# Altium PCB 2-quilter-output.pcbdoc (part 16 of 17)
Units mil, origin at the board's own origin, x right, y up, seen from the top; angles counter-clockwise.
Board outline 2728 x 2217 mil, 8 copper layers (L1_TOP, L2_GND, L3_INNER1, L4_GND, L5_PWR, L6_PWR, L7_GND, L8_BOT), stack 48.64 mil thick; 230 components, 327 nets, 1592 pads, 995 vias.
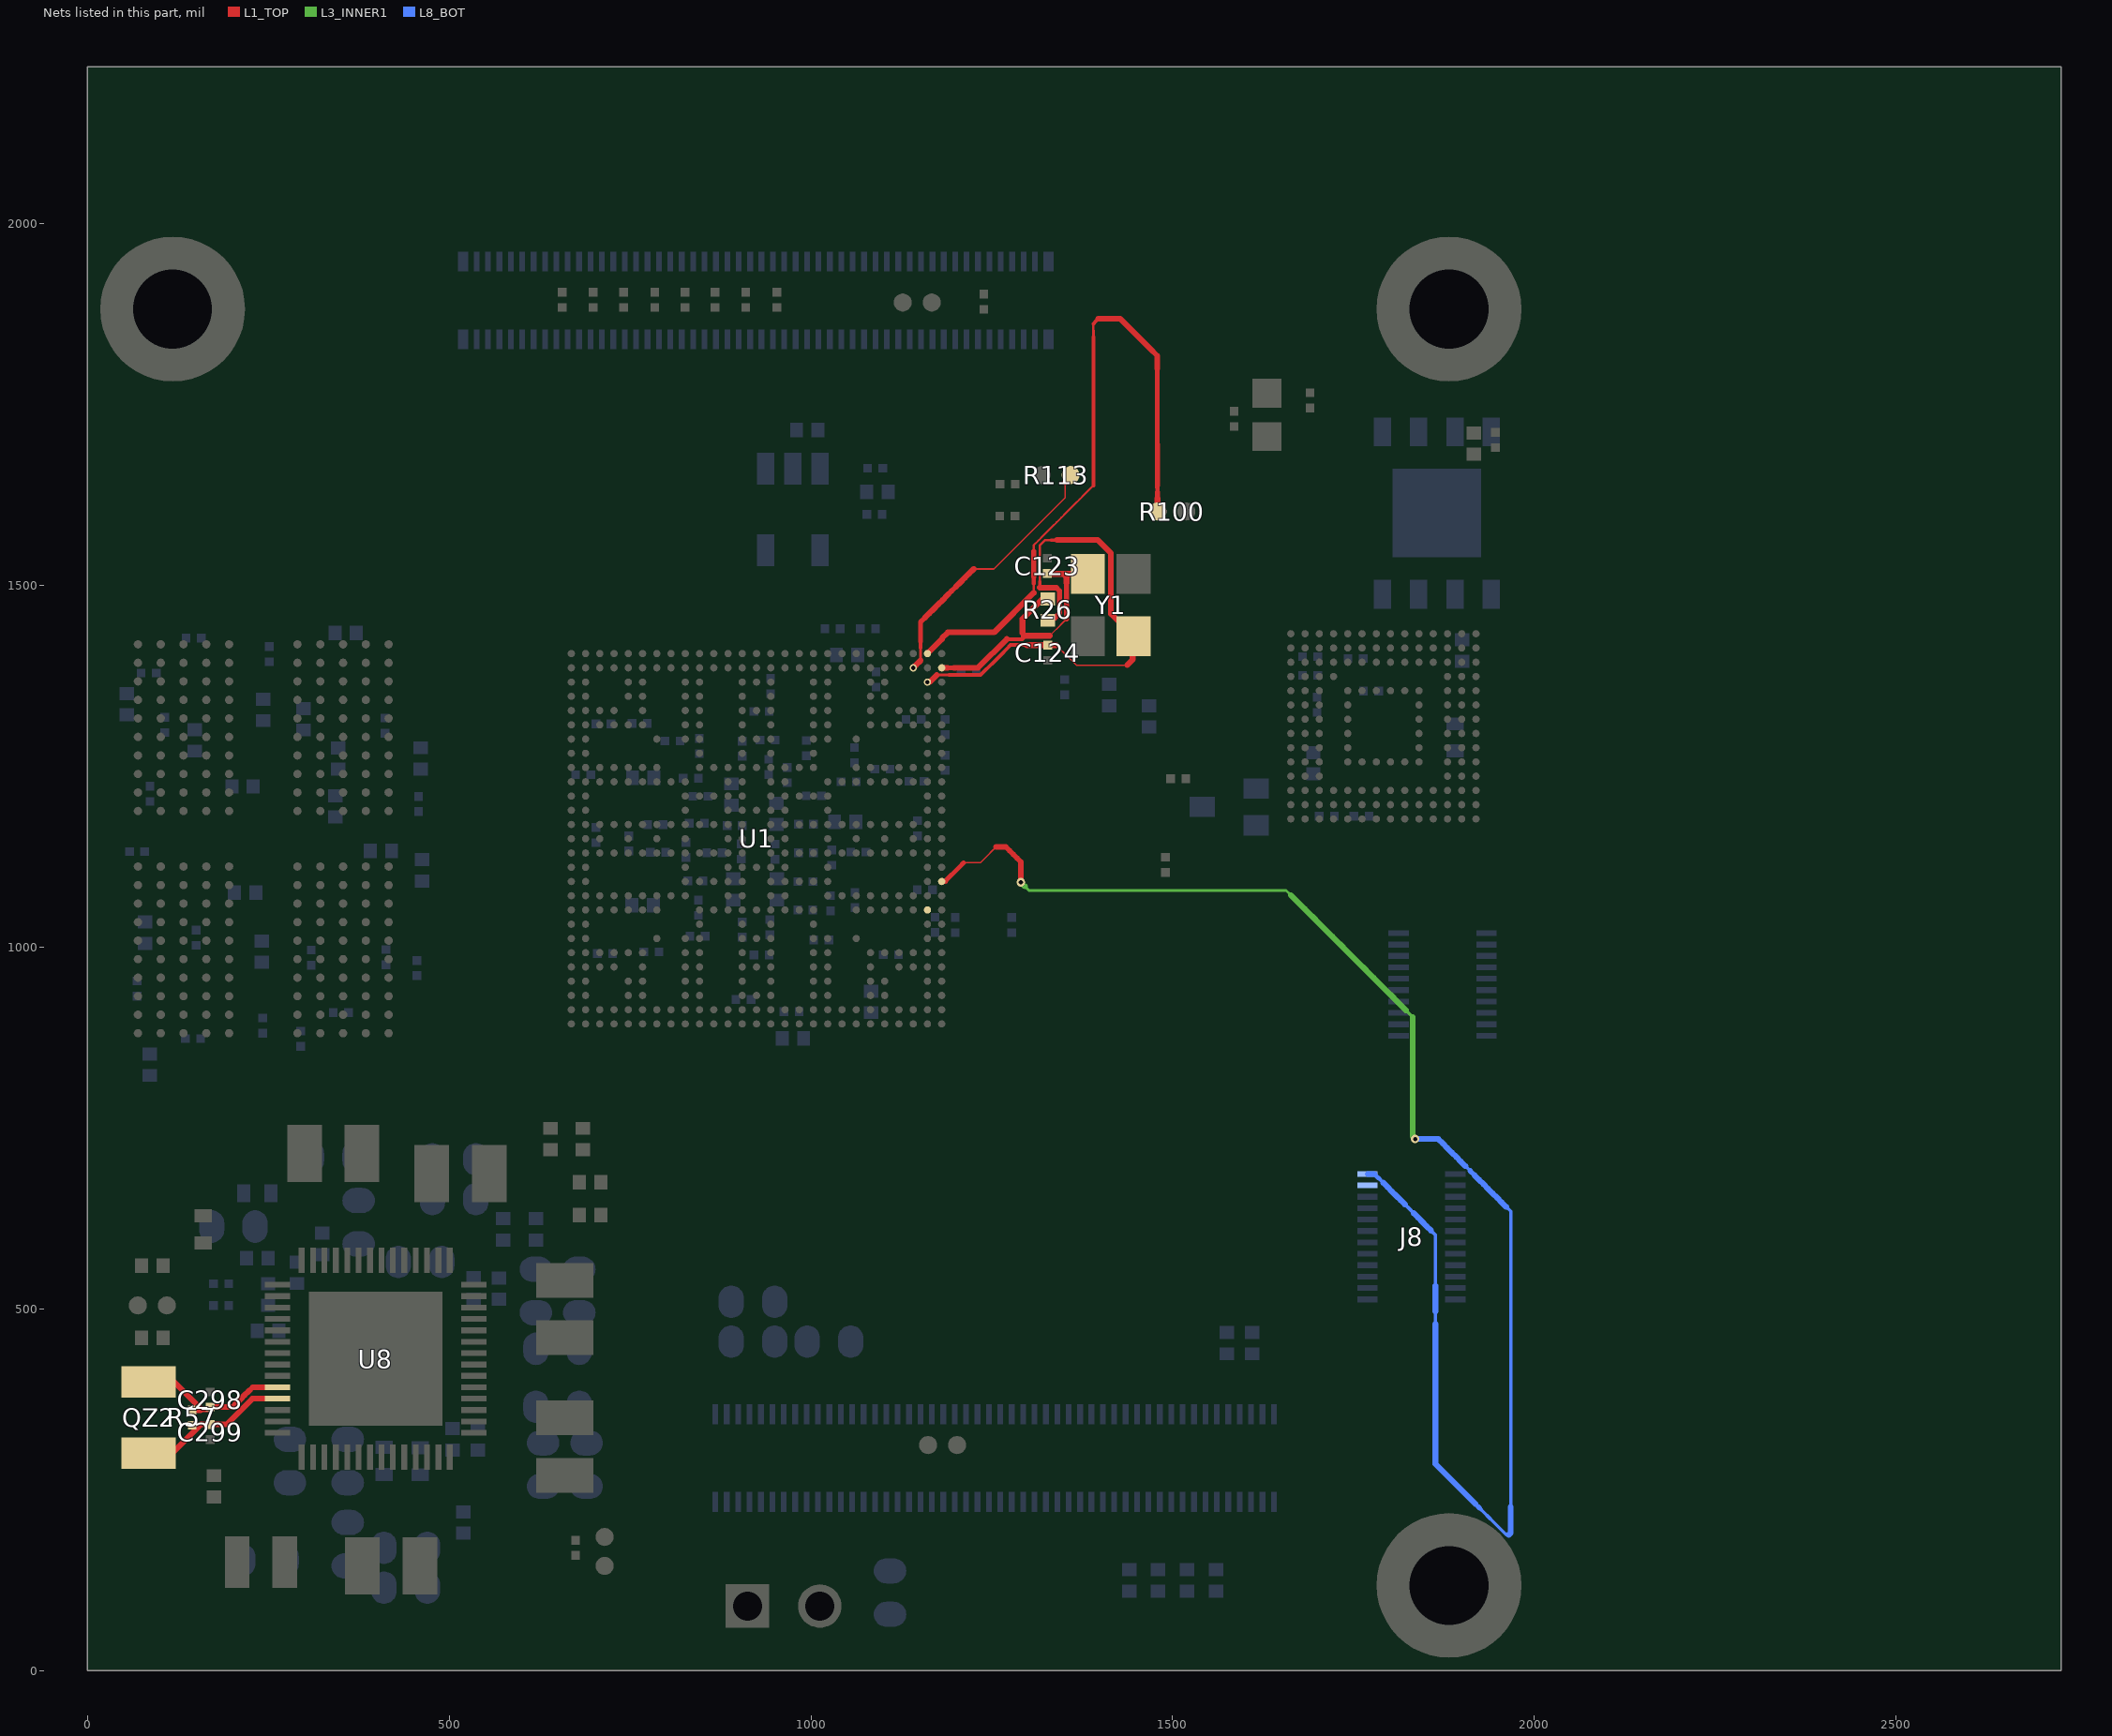
[diagram p22: the nets of this part, all layers, seen from the top]

## Via types
v1: diameter 12.01, hole 5.91, L1_TOP to L8_BOT, tented both sides, 409 vias
v2: diameter 16, hole 8, L1_TOP to L8_BOT, tented both sides, 329 vias
v3: diameter 10, hole 6, L1_TOP to L8_BOT, tented both sides, 205 vias
v4: diameter 16, hole 8, L1_TOP to L8_BOT, tented top, 52 vias

## Nets (pads, with @x,y where several pads share a name; then routed paths per layer and width w, separated by ;. In a path a pad name is that pad's centre, name@x,y a point inside that pad or via, vN(x,y) a via of type N, cw(c..) or ccw(c..) an arc to the next point about the centre after c; other vN are vias at no path point) (continued)
WL_WAKE_DEV: J8.2 U1.U27 | length 2162.9
  L1_TOP w2: 1234.08,1116.77 1239.54,1122.23 1245,1127.69 1250.46,1133.15 1255.92,1138.61
  L1_TOP w2.2: 1211.1,1116.77 1218.76,1116.77 1226.42,1116.77 1234.08,1116.77
  L1_TOP w6.29: 1185.86,1091.53 1192.17,1097.84 1198.48,1104.15 1204.79,1110.46 1211.1,1116.77
  L1_TOP w7.46: 1255.92,1138.61 1262.76,1138.61 1269.59,1138.61 1274.74,1133.47 1279.88,1128.33 1285.03,1123.18 1290.17,1118.04
  L1_TOP w8.05: U1.U27@1180.8,1090.84 1185.86,1091.53 ; v1(1290.17,1089.75) 1290.17,1098.61 1290.17,1118.04
  L3_INNER1 w3.96: 1295.85,1084.08 1301.52,1078.41 1310.4,1078.41 1319.28,1078.41 1328.16,1078.41 1337.05,1078.41 1345.93,1078.41 1354.81,1078.41 1363.69,1078.41 1372.57,1078.41 1381.45,1078.41 1390.34,1078.41 1399.22,1078.41 1408.1,1078.41 1416.98,1078.41 1425.86,1078.41 1434.75,1078.41 1443.63,1078.41 1452.51,1078.41 1461.39,1078.41 1470.27,1078.41 1479.15,1078.41 1488.04,1078.41 1496.92,1078.41 1505.8,1078.41 1514.68,1078.41 1523.56,1078.41 1532.45,1078.41 1541.33,1078.41 1550.21,1078.41 1559.09,1078.41 1567.97,1078.41 1576.85,1078.41 1585.74,1078.41 1594.62,1078.41 1603.5,1078.41 1612.38,1078.41 1621.26,1078.41 1630.14,1078.41 1639.03,1078.41 1647.91,1078.41 1656.79,1078.41 1663.15,1072.05 ; 1822.26,912.94 1828.63,906.57
  L3_INNER1 w4.54: 1828.63,906.57 1831.61,903.59
  L3_INNER1 w8.05: v1@1290.18,1089.75 1295.85,1084.08 ; 1663.15,1072.05 1669.52,1065.68 1675.88,1059.32 1682.25,1052.95 1688.61,1046.59 1694.98,1040.22 1701.34,1033.86 1707.7,1027.5 1714.07,1021.13 1720.43,1014.77 1726.8,1008.4 1733.16,1002.04 1739.53,995.67 1745.89,989.31 1752.25,982.95 1758.62,976.58 1764.98,970.22 1771.35,963.85 1777.71,957.49 1784.08,951.12 1790.44,944.76 1796.8,938.4 1803.17,932.03 1809.53,925.67 1815.9,919.3 1822.26,912.94 ; 1831.61,903.59 1831.61,738.46 v1(1834.99,735.08)
  L8_BOT w4.54: 1904.54,697.5 1910.8,691.24 ; 1924.28,224.72 1930.41,218.6 1936.53,212.48 1942.65,206.35 1948.78,200.23 1954.9,194.11 1961.02,187.98 ; 1960.9,641.14 1967.17,634.87 1967.17,625.99 1967.17,617.11 1967.17,608.23 1967.17,599.34 1967.17,590.46 1967.17,581.58 1967.17,572.7 1967.17,563.81 1967.17,554.93 1967.17,546.05 1967.17,537.17 1967.17,528.28 1967.17,519.4 1967.17,510.52 1967.17,501.64 1967.17,492.75 1967.17,483.87 1967.17,474.99 1967.17,466.11 1967.17,457.22 1967.17,448.34 1967.17,439.46 1967.17,430.58 1967.17,421.69 1967.17,412.81 1967.17,403.93 1967.17,395.05 1967.17,386.16 1967.17,377.28 1967.17,368.4 1967.17,359.51 1967.17,350.63 1967.17,341.75 1967.17,332.87 1967.17,323.98 1967.17,315.1 1967.17,306.22 1967.17,297.34 1967.17,288.45 1967.17,279.57 1967.17,270.69 1967.17,261.81 1967.17,252.92 1967.17,244.04 1967.17,235.16 1967.17,226.28 ; 1961.03,187.98 1964.4,187.98
  L8_BOT w5.13: 1784.9,680.58 1790.91,674.57 ; 1820.97,644.52 1826.98,638.5 1832.99,632.49 ; 1857.03,608.45 1863.05,602.44 1863.05,593.65 1863.05,584.86 1863.05,576.06 1863.05,567.27 1863.05,558.48 1863.05,549.69 1863.05,540.9 1863.05,532.11 ; 1863.05,479.36 1863.05,488.15 1863.05,496.95
  L8_BOT w6.29: J8.2@1778.89,686.59 1784.9,680.58
  L8_BOT w6.88: 1910.8,691.24 1917.06,684.97 ; 1918.16,230.85 1924.28,224.72
  L8_BOT w8.05: J8.2@1769.37,686.61 J8.2@1778.89,686.59 ; 1790.91,674.57 1796.92,668.56 1802.93,662.55 1808.94,656.54 1814.95,650.53 1820.97,644.52 ; 1832.99,632.49 1839,626.48 1845.01,620.47 1851.02,614.46 1857.03,608.45 ; v1(1834.99,735.08) 1844.83,735.08 1866.96,735.08 1873.22,728.81 1879.49,722.55 1885.75,716.29 1892.01,710.03 1898.28,703.76 1904.54,697.5 ; 1863.05,479.36 1863.05,470.57 1863.05,461.78 1863.05,452.99 1863.05,444.2 1863.05,435.41 1863.05,426.62 1863.05,417.83 1863.05,409.04 1863.05,400.24 1863.05,391.45 1863.05,382.66 1863.05,373.87 1863.05,365.08 1863.05,356.29 1863.05,347.5 1863.05,338.71 1863.05,329.92 1863.05,321.13 1863.05,312.33 1863.05,303.54 1863.05,294.75 1863.05,285.96 1869.17,279.84 1875.29,273.71 1881.42,267.59 1887.54,261.47 1893.66,255.34 1899.79,249.22 1905.91,243.1 1912.03,236.97 1918.16,230.85 ; 1863.05,496.95 1863.05,505.74 1863.05,514.53 1863.05,523.32 1863.05,532.11 ; 1917.06,684.97 1923.33,678.71 1929.59,672.45 1935.85,666.19 1942.11,659.92 1948.38,653.66 1954.64,647.4 1960.9,641.14 ; 1964.4,187.98 1967.17,190.74 1967.17,199.63 1967.17,208.51 1967.17,217.39 1967.17,226.28
WL_WAKE_HOST: J8.4 U1.W26
XIN_32K: C298.1 QZ2.2 R57.1 U8.10 | length 219.1
  L1_TOP w7.46: 222.95,386.39 228.43,391.87 237.04,391.87 245.64,391.87 254.25,391.87 U8.10@262.86,391.86
  L1_TOP w8.05: QZ2.2@84.98,399.21 119.84,399.21 157.58,361.47 ; R57.1@145,360.51 156.63,360.51 157.58,361.47 ; 222.95,386.39 217.48,380.92 212,375.44 206.53,369.97 201.05,364.49 188.52,364.49 175.98,364.49 C298.1@170,364.49 166.97,361.47 157.58,361.47
XOUT_32K: C299.1 QZ2.1 R57.2 U8.11 | length 222.6
  L1_TOP w8.05: QZ2.1@84.98,300.79 117.39,300.79 157.56,340.96 ; R57.2@145,339.49 156.08,339.49 157.56,340.97 ; U8.11@262.86,376.11 245.35,376.12 228.33,376.12 192.72,340.51 175.98,340.51 C299.1@170,340.51 158.02,340.51 157.57,340.97
XTALI_24M: C123.1 R26.1 U1.B27 Y1.3 | length 396.4
  L1_TOP w2: 1330.12,1430.47 1335.65,1436.01 1341.55,1441.91 1347.45,1447.81 1353.36,1453.71
  L1_TOP w5.13: 1270.78,1425.8 1276.84,1425.8 1282.9,1425.8 1287.67,1425.8 1292.44,1425.8 ; 1292.44,1434.22 1292.44,1425.8 ; 1297.11,1430.47 1292.44,1425.8
  L1_TOP w6.88: 1189.19,1386.12 1197.57,1386.12 ; 1353.36,1453.71 1353.36,1461.97 1353.36,1470.23 1353.36,1478.5 1353.36,1486.76 1353.36,1495.02 1353.36,1503.28
  L1_TOP w7.46: U1.B27@1180.8,1386.12 1189.19,1386.12
  L1_TOP w8.05: 1197.57,1386.12 1205.95,1386.12 1214.34,1386.12 1222.72,1386.12 1231.1,1386.12 1270.78,1425.8 ; 1292.44,1434.22 1292.44,1453.85 1321.62,1483.04 R26.1@1327.28,1481.34 ; 1297.11,1430.47 1330.12,1430.47 ; C123.1@1326.68,1516.73 1327.46,1515.94 1348.96,1515.94 ; 1353.36,1503.28 1353.36,1511.54 1348.96,1515.94 ; Y1.3@1382.85,1516.15 1382.26,1515.94 1348.96,1515.94
XTALI_32K: R100.2 U1.A26 | length 915.7
  L1_TOP w2.79: 1308.01,1493.9 1308.01,1502.73 ; 1308.01,1546.87 1308.01,1555.7 1314.34,1562.03 1320.67,1568.36 1327.01,1574.7 1333.34,1581.03 1339.67,1587.36 1346,1593.69 1352.34,1600.03 1358.67,1606.36 1365,1612.69 1371.33,1619.02 1377.67,1625.36 1384,1631.69 1390.33,1638.02
  L1_TOP w3.37: 1308.01,1489.85 1308.01,1493.9 ; 1390.33,1852.58 1390.33,1861.52
  L1_TOP w3.96: 1390.33,1843.64 1390.33,1852.58
  L1_TOP w5.13: 1390.33,1638.02 1390.33,1646.96 1390.33,1655.9 1390.33,1664.84 1390.33,1673.78 1390.33,1682.72 1390.33,1691.66 1390.33,1700.6 1390.33,1709.54 1390.33,1718.48 1390.33,1727.42 1390.33,1736.36 1390.33,1745.3 1390.33,1754.24 1390.33,1763.18 1390.33,1772.12 1390.33,1781.06 1390.33,1790 1390.33,1798.94 1390.33,1807.88 1390.33,1816.82 1390.33,1825.76 1390.33,1834.7 1390.33,1843.64 ; 1390.33,1861.52 1393.88,1865.06 1397.42,1868.61
  L1_TOP w6.29: 1308.01,1502.73 1308.01,1511.56 ; 1478.86,1638.06 1478.88,1629.09
  L1_TOP w6.88: 1478.61,1799.52 1478.62,1790.55 1478.64,1781.58 1478.65,1772.61 1478.66,1763.64 1478.68,1754.67 1478.69,1745.7 1478.71,1736.73 1478.72,1727.76 1478.73,1718.79 1478.75,1709.82 1478.76,1700.85 1478.78,1691.88 1478.79,1682.91 1478.81,1673.94 1478.82,1664.97 1478.83,1656 1478.85,1647.03 1478.86,1638.06
  L1_TOP w7.46: 1308.01,1511.56 1308.01,1520.39 1308.01,1529.21 1308.01,1538.04 1308.01,1546.87 ; 1472.9,1823.15 1478.58,1817.47 1478.59,1808.49 1478.61,1799.52 ; 1478.89,1620.12 1478.88,1629.09
  L1_TOP w8.05: U1.A26@1161.11,1405.81 1181.23,1425.94 1181.23,1426.89 1189.44,1435.1 1253.26,1435.1 1308.01,1489.85 ; 1397.42,1868.61 1427.44,1868.61 1433.12,1862.92 1438.8,1857.24 1444.49,1851.56 1450.17,1845.88 1455.85,1840.19 1461.53,1834.51 1467.22,1828.83 1472.9,1823.15 ; R100.2@1478.9,1602.17 1478.9,1611.15 1478.89,1620.12
XTALO_24M: C124.1 R26.2 U1.C26 Y1.1 | length 726.6
  L1_TOP w2: 1339.1,1417.54 1344.64,1412 1350.18,1406.46 1355.72,1400.92 1361.26,1395.38 1366.8,1389.84 1375.58,1389.84 1384.36,1389.84 1393.14,1389.84 1401.92,1389.84 1410.71,1389.84 1419.49,1389.84 1428.27,1389.84 1437.05,1389.84
  L1_TOP w3.37: 1316.45,1505.29 1316.45,1513.66 1316.45,1522.03 1316.45,1530.4 1316.45,1538.77 1316.45,1547.13 1316.45,1555.5 1320.08,1559.14 1323.72,1562.77 1331.8,1562.77
  L1_TOP w3.96: 1174.01,1376.05 1182.67,1376.05 1191.33,1376.05
  L1_TOP w4.54: 1316.45,1497.01 1316.45,1505.29 ; 1331.8,1562.77 1339.89,1562.77
  L1_TOP w5.13: 1191.33,1376.05 1199.98,1376.05 1208.64,1376.05 1217.3,1376.05 1225.95,1376.05 1234.61,1376.05 1240.54,1381.98 1246.46,1387.9 1252.39,1393.83 1258.32,1399.76 1264.25,1405.69 1270.17,1411.61 1276.1,1417.54 1283.63,1417.54 1291.17,1417.54 1298.7,1417.54
  L1_TOP w6.88: R26.2@1336.64,1454.64 1340.05,1458.04 1343.46,1461.45 1343.46,1465.97 1343.46,1474.86 1343.46,1483.75 1343.46,1492.63 1339.18,1496.91
  L1_TOP w8.05: v3(1161.11,1366.44) 1164.41,1366.45 1174.01,1376.05 ; 1298.7,1417.54 1306.23,1417.54 1313.77,1417.54 1321.3,1417.54 C124.1@1327.3,1417.53 1333.31,1417.54 1339.1,1417.54 ; 1316.45,1497.01 1316.55,1496.91 1339.18,1496.91 ; R26.2@1327.28,1451.82 R26.2@1336.64,1454.64 ; 1339.89,1562.77 1347.98,1562.77 1356.07,1562.77 1364.16,1562.77 1372.24,1562.77 1380.33,1562.77 1388.42,1562.77 1396.51,1562.77 1414.6,1544.69 1414.6,1460.8 1445.85,1429.55 1444.74,1428.45 1444.74,1397.53 1437.06,1389.84
XTALO_32K: R113.2 U1.B25 | length 372.4
  L1_TOP w2: 1224.98,1522.74 1231.99,1522.74 1239,1522.74 1246.01,1522.74 1253.02,1522.74 1259.17,1528.88 1265.31,1535.03 1271.46,1541.17 1277.6,1547.32 1283.75,1553.46 1289.89,1559.61 1296.04,1565.75 1302.18,1571.9 1308.33,1578.04 1314.48,1584.19 1320.62,1590.33 1326.77,1596.48 1332.91,1602.63 1339.06,1608.77 1345.2,1614.92 1351.35,1621.06 1351.35,1628.19 1351.35,1635.32 1351.35,1642.45
  L1_TOP w3.96: 1151.55,1396.24 1151.55,1405.08 1151.55,1413.92
  L1_TOP w5.71: 1151.55,1413.92 1151.55,1422.77
  L1_TOP w6.88: 1151.55,1422.77 1151.55,1431.61 1151.55,1440.46 1151.55,1449.3 1157.67,1455.42 ; 1194.38,1492.14 1200.5,1498.26
  L1_TOP w7.46: 1188.26,1486.02 1194.38,1492.14
  L1_TOP w8.05: v3(1141.43,1386.12) 1144.98,1389.67 1151.54,1396.23 ; 1157.67,1455.42 1163.79,1461.54 1169.9,1467.66 1176.02,1473.78 1182.14,1479.9 1188.26,1486.02 ; 1200.5,1498.26 1206.62,1504.38 1212.74,1510.5 1218.86,1516.62 1224.98,1522.74 ; 1351.35,1642.45 R113.2@1359.01,1652.57
pads on no net: J4. J8.24 U1.AB6 U1.F6 U1.J5 U1.K5 U1.M1 U1.M2 U1.N1 U1.N6 U1.R2 U1.R6 U1.T1 U1.T2 U1.V5 U1.W5 U2.A1 U2.A2 U2.A11 U2.A12 U2.AA1 U2.AA12 U2.AB1 U2.AB2 U2.AB11 U2.AB12 U2.B1 U2.B12 U2.G11 U2.K5 U2.K8 U2.N5 U2.N8 U4.A1 U4.A2 U4.A7 U4.A8 U4.A9 U4.A10 U4.A11 U4.A12 U4.A13 U4.A14 U4.B1 U4.B7 U4.B8 U4.B9 U4.B10 U4.B11 U4.B12 U4.B13 U4.B14 U4.C1 U4.C3 U4.C5 U4.C7 U4.C8 U4.C9 U4.C10 U4.C11 U4.C12 U4.C13 U4.C14 U4.D1 U4.D2 U4.D3 U4.D4 U4.D12 U4.D13 U4.D14 U4.E1 U4.E2 U4.E3 U4.E5 U4.E8 U4.E9 U4.E10 U4.E12 U4.E13 U4.E14 U4.F1 U4.F2 U4.F3 U4.F10 U4.F12 U4.F13 U4.F14 U4.G1 U4.G2 U4.G3 U4.G10 U4.G12 U4.G13 U4.G14 U4.H1 U4.H2 U4.H3 U4.H12 U4.H13 U4.H14 U4.J1 U4.J2 U4.J3 U4.J12 U4.J13 U4.J14 U4.K1 U4.K2 U4.K3 U4.K6 U4.K7 U4.K10 U4.K12 U4.K13 U4.K14 U4.L1 U4.L2 U4.L3 U4.L12 U4.L13 U4.L14 U4.M1 U4.M2 U4.M3 U4.M7 U4.M8 U4.M9 U4.M10 U4.M11 U4.M12 U4.M13 U4.M14 U4.N1 U4.N3 U4.N6 U4.N7 U4.N8 U4.N9 U4.N10 U4.N11 U4.N12 U4.N13 U4.N14 U4.P1 U4.P2 U4.P7 U4.P8 U4.P9 U4.P10 U4.P11 U4.P12 U4.P13 U4.P14
copper on no net:
  other v2: 276.4,1100.82 766.88,1113.22 228,1180 765.6,1188.9 253.13,1204.68
  other v4: 240,1103

## Polygon pours and split planes (outlines as drawn)
LX1 on L1_TOP "POUR_0" (solid, pour order 0): 42 vertices, not listed, extent 510.33,428.41 706.19,490.94
LX2 on L1_TOP "POUR_1" (solid, pour order 1): 41 vertices, not listed, extent 443.12,542.87 506.91,733.62
LX3 on L1_TOP "POUR_2" (solid, pour order 2): 40 vertices, not listed, extent 510.33,319.06 706.19,390.31
LX4 on L1_TOP "POUR_3" (solid, pour order 3): 42 vertices, not listed, extent 348.63,98.81 410.94,319.59
LX5 on L1_TOP "POUR_4" (solid, pour order 4): 42 vertices, not listed, extent 249.18,107.89 307.02,319.59
NVCC_DRAM_1V1 on L1_TOP "POUR_5" (solid, pour order 5): 34 vertices, not listed, extent 276.31,1119.82 506.65,1252.46
NVCC_DRAM_1V1 on L1_TOP "POUR_6" (solid, pour order 6): 65 vertices, not listed, extent 102.64,996.72 145.52,1036.65
NVCC_DRAM_1V1 on L1_TOP "POUR_7" (solid, pour order 7): 65 vertices, not listed, extent 102.64,1263.15 145.52,1303.08
NVCC_DRAM_1V1 on L1_TOP "POUR_8" (solid, pour order 8): 71 vertices, not listed, extent 120.66,1099.08 163.54,1190.19
NVCC_DRAM_1V1 on L1_TOP "POUR_9" (solid, pour order 9): 51 vertices, not listed, extent 26.02,1329.4 179.14,1497.75
NVCC_DRAM_1V1 on L1_TOP "POUR_10" (solid, pour order 10): 56 vertices, not listed, extent 120.66,814.1 177.02,919.22
NVCC_DRAM_1V1 on L1_TOP "POUR_11" (solid, pour order 11): 63 vertices, not listed, extent 183.66,994.45 228.54,1023.85
NVCC_DRAM_1V1 on L1_TOP "POUR_12" (solid, pour order 12): 63 vertices, not listed, extent 183.66,1275.95 228.54,1305.35
NVCC_DRAM_1V1 on L1_TOP "POUR_13" (solid, pour order 13): 62 vertices, not listed, extent 183.66,1327.33 303,1369.47
NVCC_DRAM_1V1 on L1_TOP "POUR_14" (solid, pour order 14): 63 vertices, not listed, extent 183.66,943.27 228.54,972.67
NVCC_DRAM_1V1 on L1_TOP "POUR_15" (solid, pour order 15): 63 vertices, not listed, extent 183.66,1378.31 230.47,1407.71
NVCC_DRAM_1V1 on L1_TOP "POUR_16" (solid, pour order 16): 63 vertices, not listed, extent 183.66,892.09 230.47,921.49
NVCC_DRAM_1V1 on L1_TOP "POUR_17" (solid, pour order 17): 64 vertices, not listed, extent 183.66,1040.2 233.59,1072.76
NVCC_DRAM_1V1 on L1_TOP "POUR_18" (solid, pour order 18): 66 vertices, not listed, extent 183.66,1227.04 247.35,1261.6
NVCC_DRAM_1V1 on L1_TOP "POUR_19" (solid, pour order 19): 55 vertices, not listed, extent 233.26,994.45 287.58,1073.56
NVCC_DRAM_1V1 on L1_TOP "POUR_20" (solid, pour order 20): 63 vertices, not listed, extent 256.19,1224.77 303,1254.17
NVCC_DRAM_1V1 on L1_TOP "POUR_21" (solid, pour order 21): 46 vertices, not listed, extent 245.66,1367.87 303,1407.71
NVCC_DRAM_1V1 on L1_TOP "POUR_22" (solid, pour order 22): 63 vertices, not listed, extent 256.19,892.09 303,921.49
NVCC_DRAM_1V1 on L1_TOP "POUR_23" (solid, pour order 23): 63 vertices, not listed, extent 256.19,943.27 303,972.67
NVCC_DRAM_1V1 on L1_TOP "POUR_24" (solid, pour order 24): 63 vertices, not listed, extent 256.69,1275.95 303,1305.35
NVCC_DRAM_1V1 on L1_TOP "POUR_25" (solid, pour order 25): 50 vertices, not listed, extent 309.64,1367.32 367.77,1431.03
NVCC_DRAM_1V1 on L1_TOP "POUR_26" (solid, pour order 26): 71 vertices, not listed, extent 309.64,868.77 366,919.22
NVCC_DRAM_1V1 on L1_TOP "POUR_27" (solid, pour order 27): 78 vertices, not listed, extent 341.14,1227.04 428.99,1303.08
NVCC_DRAM_1V1 on L1_TOP "POUR_28" (solid, pour order 28): 65 vertices, not listed, extent 341.14,981.66 384.01,1021.58
NVCC_DRAM_1V1 on L1_TOP "POUR_29" (solid, pour order 29): 64 vertices, not listed, extent 341.14,1098.24 451.74,1140.78
NVCC_DRAM_1V1 on L1_TOP "POUR_30" (solid, pour order 30): 65 vertices, not listed, extent 372.63,1007.84 415.51,1047.17
NVCC_DRAM_1V1 on L1_TOP "POUR_31" (solid, pour order 31): 63 vertices, not listed, extent 404.13,1327.13 450.94,1356.53
NVCC_DRAM_1V1 on L1_TOP "POUR_32" (solid, pour order 32): 63 vertices, not listed, extent 404.13,943.27 450.94,972.67
NVCC_DRAM_1V1 on L1_TOP "POUR_33" (solid, pour order 33): 63 vertices, not listed, extent 404.13,1047.34 451.05,1076.74
NVCC_DRAM_1V1 on L1_TOP "POUR_34" (solid, pour order 34): 53 vertices, not listed, extent 35.71,1045.63 82.53,1075.03
NVCC_DRAM_1V1 on L1_TOP "POUR_35" (solid, pour order 35): 63 vertices, not listed, extent 35.71,1096.81 82.53,1126.21
NVCC_DRAM_1V1 on L1_TOP "POUR_36" (solid, pour order 36): 63 vertices, not listed, extent 35.71,1173.59 82.53,1202.99
NVCC_DRAM_1V1 on L1_TOP "POUR_37" (solid, pour order 37): 63 vertices, not listed, extent 35.71,1224.77 82.53,1254.17
NVCC_DRAM_1V1 on L1_TOP "POUR_38" (solid, pour order 38): 63 vertices, not listed, extent 35.71,943.27 82.53,972.67
NVCC_DRAM_1V1 on L1_TOP "POUR_39" (solid, pour order 39): 73 vertices, not listed, extent 789.48,1039.2 841.57,1122.21
NVCC_DRAM_1V1 on L1_TOP "POUR_40" (solid, pour order 40): 76 vertices, not listed, extent 754.19,1097.68 839.02,1260.6
NVCC_DRAM_1V1 on L1_TOP "POUR_41" (solid, pour order 41): 35 vertices, not listed, extent 259.8,542.87 370.01,782.32
NVCC_DRAM_1V1 on L1_TOP "POUR_42" (solid, pour order 42): 31 vertices, not listed, extent 449.31,1134.55 570.83,1150.12

## Text inside footprints (layer, text, board x,y; h text height)
U1: Top Overlay "A" at 621.74,1401.87 h20; Top Overlay "AG" at 594.18,882.18 h20; Top Overlay "1" at 646.97,1432.53 h20; Top Overlay "27" at 1176.86,1437.3 h20; Top Assembly "A" at 625.68,1401.87 h9.84; Top Assembly "1" at 663.55,1435.06 h9.84; Top Assembly "2" at 683.24,1435.06 h9.84; Top Assembly "3" at 702.92,1435.06 h9.84; Top Assembly "4" at 722.61,1435.06 h9.84; Top Assembly "5" at 742.29,1435.06 h9.84; Top Assembly "6" at 761.98,1435.06 h9.84; Top Assembly "7" at 781.66,1435.06 h9.84; Top Assembly "8" at 801.35,1435.06 h9.84; Top Assembly "9" at 821.03,1435.06 h9.84; Top Assembly "10" at 844.65,1431.13 h9.84; Top Assembly "11" at 864.34,1431.13 h9.84; Top Assembly "12" at 884.02,1431.13 h9.84; Top Assembly "13" at 899.77,1431.13 h9.84; Top Assembly "14" at 923.39,1431.13 h9.84; Top Assembly "15" at 943.08,1431.13 h9.84; Top Assembly "16" at 962.76,1431.13 h9.84; Top Assembly "17" at 982.45,1431.13 h9.84; Top Assembly "18" at 1002.13,1431.13 h9.84; Top Assembly "19" at 1021.82,1431.13 h9.84; Top Assembly "20" at 1041.5,1431.13 h9.84; Top Assembly "21" at 1061.19,1431.13 h9.84; Top Assembly "22" at 1080.87,1431.13 h9.84; Top Assembly "23" at 1100.56,1431.13 h9.84; Top Assembly "24" at 1120.24,1431.13 h9.84; Top Assembly "25" at 1139.93,1431.13 h9.84; Top Assembly "26" at 1159.61,1431.13 h9.84; Top Assembly "27" at 1179.3,1431.13 h9.84; Top Assembly "B" at 625.68,1382.18 h9.84; Top Assembly "C" at 625.68,1362.5 h9.84; Top Assembly "D" at 625.68,1342.81 h9.84; Top Assembly "E" at 625.68,1323.13 h9.84; Top Assembly "F" at 625.68,1303.44 h9.84; Top Assembly "G" at 625.68,1283.76 h9.84; Top Assembly "H" at 625.68,1264.07 h9.84; Top Assembly "J" at 625.68,1244.39 h9.84; Top Assembly "K" at 625.68,1224.7 h9.84; Top Assembly "L" at 625.68,1205.02 h9.84; Top Assembly "M" at 625.68,1185.33 h9.84; Top Assembly "N" at 625.68,1165.65 h9.84; Top Assembly "P" at 625.68,1145.96 h9.84; Top Assembly "R" at 625.68,1126.28 h9.84; Top Assembly "T" at 625.68,1106.59 h9.84; Top Assembly "U" at 625.68,1086.91 h9.84; Top Assembly "V" at 625.68,1067.22 h9.84; Top Assembly "W" at 625.68,1047.54 h9.84; Top Assembly "Y" at 625.68,1027.85 h9.84; Top Assembly "AA" at 625.68,1008.17 h9.84; Top Assembly "AB" at 625.68,988.48 h9.84; Top Assembly "AC" at 625.68,968.8 h9.84; Top Assembly "AD" at 625.68,949.11 h9.84; Top Assembly "AE" at 625.68,929.43 h9.84; Top Assembly "AF" at 625.68,909.74 h9.84; Top Assembly "AG" at 625.68,890.06 h9.84; Top Pin Number "F27" at 1168.99,1307.38 h9.84; Top Pin Number "E26" at 1149.3,1327.06 h9.84; Top Pin Number "E27" at 1168.99,1327.06 h9.84; Top Pin Number "A1" at 646.94,1397.93 h23.62; Top Pin Number "A27" at 1168.99,1405.81 h9.84; Top Pin Number "B3" at 700.48,1386.12 h9.84; Top Pin Number "B26" at 1149.3,1386.12 h9.84; Top Pin Number "C2" at 680.8,1366.44 h9.84; Top Pin Number "C5" at 739.86,1366.44 h9.84; Top Pin Number "C6" at 759.54,1366.44 h9.84; Top Pin Number "C9" at 818.6,1366.44 h9.84; Top Pin Number "C10" at 834.34,1366.44 h9.84; Top Pin Number "C13" at 893.4,1366.44 h9.84; Top Pin Number "C14" at 913.08,1366.44 h9.84; Top Pin Number "C15" at 932.76,1366.44 h9.84; Top Pin Number "C18" at 991.82,1366.44 h9.84; Top Pin Number "C19" at 1011.5,1366.44 h9.84; Top Pin Number "C22" at 1070.56,1366.44 h9.84; Top Pin Number "C23" at 1090.24,1366.44 h9.84; Top Pin Number "E3" at 700.48,1327.06 h9.84; Top Pin Number "E25" at 1129.62,1327.06 h9.84; Top Pin Number "F3" at 700.48,1307.38 h9.84; Top Pin Number "F25" at 1129.62,1307.38 h9.84; Top Pin Number "G7" at 779.22,1287.7 h9.84; Top Pin Number "G9" at 818.6,1287.7 h9.84; Top Pin Number "G21" at 1050.88,1287.7 h9.84; Top Pin Number "H2" at 680.8,1268.01 h9.84; Top Pin Number "J3" at 700.48,1248.32 h9.84; Top Pin Number "J25" at 1129.62,1248.32 h9.84; Top Pin Number "K3" at 700.48,1228.64 h9.84; Top Pin Number "K25" at 1129.62,1228.64 h9.84; Top Pin Number "L12" at 873.71,1208.96 h9.84; Top Pin Number "L16" at 952.45,1208.96 h9.84; Top Pin Number "N3" at 700.48,1169.58 h9.84; Top Pin Number "N12" at 873.71,1169.58 h9.84; Top Pin Number "N16" at 952.45,1169.58 h9.84; Top Pin Number "N25" at 1129.62,1169.58 h9.84; Top Pin Number "P3" at 700.48,1149.9 h9.84; Top Pin Number "P13" at 893.4,1149.9 h9.84; Top Pin Number "P15" at 932.76,1149.9 h9.84; Top Pin Number "P25" at 1129.62,1149.9 h9.84; Top Pin Number "R3" at 700.48,1130.22 h9.84; Top Pin Number "R12" at 873.71,1130.22 h9.84; Top Pin Number "R16" at 952.45,1130.22 h9.84; Top Pin Number "R25" at 1129.62,1130.22 h9.84; Top Pin Number "U12" at 873.71,1090.84 h9.84; Top Pin Number "U16" at 952.45,1090.84 h9.84; Top Pin Number "V3" at 700.48,1071.16 h9.84; Top Pin Number "V25" at 1129.62,1071.16 h9.84; Top Pin Number "W3" at 700.48,1051.48 h9.84; Top Pin Number "W25" at 1129.62,1051.48 h9.84; Top Pin Number "Y2" at 680.8,1031.79 h9.84; Top Pin Number "AA7" at 775.28,1012.1 h9.84; Top Pin Number "AA21" at 1046.95,1012.1 h9.84; Top Pin Number "AB3" at 696.54,992.42 h9.84; Top Pin Number "AB25" at 1125.69,992.42 h9.84; Top Pin Number "AC3" at 696.54,972.74 h9.84; Top Pin Number "AC25" at 1125.69,972.74 h9.84; Top Pin Number "AE2" at 676.86,933.36 h9.84; Top Pin Number "AE5" at 735.92,933.36 h9.84; Top Pin Number "AE6" at 755.6,933.36 h9.84; Top Pin Number "AE9" at 814.66,933.36 h9.84; Top Pin Number "AE10" at 830.41,933.36 h9.84; Top Pin Number "AE13" at 889.47,933.36 h9.84; Top Pin Number "J4" at 720.17,1248.32 h9.84; Top Pin Number "AF4" at 716.23,913.68 h9.84; Top Pin Number "E1" at 661.11,1327.06 h9.84; Top Pin Number "AG26" at 1145.37,893.99 h9.84; Top Pin Number "B5" at 739.86,1386.12 h9.84; Top Pin Number "D2" at 680.8,1346.75 h9.84; Top Pin Number "AD2" at 676.86,953.05 h9.84; Top Pin Number "F5" at 739.86,1307.38 h9.84; Top Pin Number "W22" at 1070.56,1051.48 h9.84; Top Pin Number "L1" at 661.11,1208.96 h9.84; Top Pin Number "AF1" at 657.17,913.68 h9.84; Top Pin Number "B2" at 680.8,1386.12 h9.84; Top Pin Number "V1" at 661.11,1071.16 h9.84; Top Pin Number "B4" at 720.17,1386.12 h9.84; Top Pin Number "D9" at 818.6,1346.75 h9.84; Top Pin Number "AD1" at 657.17,953.05 h9.84; Top Pin Number "Y1" at 661.11,1031.79 h9.84; Top Pin Number "J1" at 661.11,1248.32 h9.84; Top Pin Number "E4" at 720.17,1327.06 h9.84; Top Pin Number "F4" at 720.17,1307.38 h9.84; Top Pin Number "K1" at 661.11,1228.64 h9.84; Top Pin Number "AA2" at 676.86,1012.1 h9.84; Top Pin Number "T26" at 1149.3,1110.53 h9.84; Top Pin Number "J6" at 759.54,1248.32 h9.84; Top Pin Number "T27" at 1168.99,1110.53 h9.84; Top Pin Number "W2" at 680.8,1051.48 h9.84; Top Pin Number "AG5" at 735.92,893.99 h9.84; Top Pin Number "D1" at 661.11,1346.75 h9.84; Top Pin Number "R27" at 1168.99,1130.22 h9.84; Top Pin Number "A2" at 680.8,1405.81 h9.84; Top Pin Number "R26" at 1149.3,1130.22 h9.84; Top Pin Number "AC2" at 676.86,972.74 h9.84; Top Pin Number "W1" at 661.11,1051.48 h9.84; Top Pin Number "AF5" at 735.92,913.68 h9.84; Top Pin Number "E6" at 759.54,1327.06 h9.84; Top Pin Number "R5" at 739.86,1130.22 h9.84; Top Pin Number "A8" at 798.91,1405.81 h9.84; Top Pin Number "AB2" at 676.86,992.42 h9.84; Top Pin Number "B8" at 798.91,1386.12 h9.84; Top Pin Number "R1" at 661.11,1130.22 h9.84; Top Pin Number "A5" at 739.86,1405.81 h9.84; Top Pin Number "V6" at 759.54,1071.16 h9.84; Top Pin Number "A4" at 720.17,1405.81 h9.84; Top Pin Number "W26" at 1149.3,1051.48 h9.84; Top Pin Number "B1" at 661.11,1386.12 h9.84; Top Pin Number "J2" at 680.8,1248.32 h9.84; Top Pin Number "R23" at 1090.24,1130.22 h9.84; Top Pin Number "C1" at 661.11,1366.44 h9.84; Top Pin Number "V4" at 720.17,1071.16 h9.84; Top Pin Number "W6" at 759.54,1051.48 h9.84; Top Pin Number "N5" at 739.86,1169.58 h9.84; Top Pin Number "AD19" at 1007.57,953.05 h9.84; Top Pin Number "E10" at 834.34,1327.06 h9.84; Top Pin Number "AG8" at 794.97,893.99 h9.84; Top Pin Number "A25" at 1129.62,1405.81 h9.84; Top Pin Number "AG7" at 775.28,893.99 h9.84; Top Pin Number "AC9" at 814.66,972.74 h9.84; Top Pin Number "AC24" at 1106,972.74 h9.84; Top Pin Number "AF8" at 794.97,913.68 h9.84; Top Pin Number "AB22" at 1066.63,992.42 h9.84; Top Pin Number "AF7" at 775.28,913.68 h9.84; Top Pin Number "AD9" at 814.66,953.05 h9.84; Top Pin Number "F10" at 834.34,1307.38 h9.84; Top Pin Number "AF10" at 830.41,913.68 h9.84; Top Pin Number "F2" at 680.8,1307.38 h9.84; Top Pin Number "AF19" at 1007.57,913.68 h9.84; Top Pin Number "AC6" at 755.6,972.74 h9.84; Top Pin Number "AG10" at 830.41,893.99 h9.84; Top Pin Number "AA1" at 657.17,1012.1 h9.84; Top Pin Number "AD18" at 987.89,953.05 h9.84; Top Pin Number "AF6" at 755.6,913.68 h9.84; Top Pin Number "AD10" at 830.41,953.05 h9.84; Top Pin Number "AF22" at 1066.63,913.68 h9.84; Top Pin Number "AF11" at 850.09,913.68 h9.84; Top Pin Number "AB4" at 716.23,992.42 h9.84; Top Pin Number "AG20" at 1027.26,893.99 h9.84; Top Pin Number "AG11" at 850.09,893.99 h9.84; Top Pin Number "K6" at 759.54,1228.64 h9.84; Top Pin Number "AB10" at 830.41,992.42 h9.84; Top Pin Number "AF9" at 814.66,913.68 h9.84; Top Pin Number "AF2" at 676.86,913.68 h9.84; Top Pin Number "AB9" at 814.66,992.42 h9.84; Top Pin Number "A3" at 700.48,1405.81 h9.84; Top Pin Number "AG9" at 814.66,893.99 h9.84; Top Pin Number "AE1" at 657.17,933.36 h9.84; Top Pin Number "AC10" at 830.41,972.74 h9.84; Top Pin Number "AG3" at 696.54,893.99 h9.84; Top Pin Number "W4" at 720.17,1051.48 h9.84; Top Pin Number "AF25" at 1125.69,913.68 h9.84; Top Pin Number "AG25" at 1125.69,893.99 h9.84; Top Pin Number "AF26" at 1145.37,913.68 h9.84; Top Pin Number "AG24" at 1106,893.99 h9.84; Top Pin Number "AB27" at 1165.06,992.42 h9.84; Top Pin Number "G26" at 1149.3,1287.7 h9.84; Top Pin Number "D23" at 1090.24,1346.75 h9.84; Top Pin Number "P1" at 661.11,1149.9 h9.84; Top Pin Number "F18" at 991.82,1307.38 h9.84; Top Pin Number "D22" at 1070.56,1346.75 h9.84; Top Pin Number "P2" at 680.8,1149.9 h9.84; Top Pin Number "N19" at 1011.5,1169.58 h9.84; Top Pin Number "P5" at 739.86,1149.9 h9.84; Top Pin Number "P19" at 1011.5,1149.9 h9.84; Top Pin Number "R19" at 1011.5,1130.22 h9.84; Top Pin Number "G14" at 913.08,1287.7 h9.84; Top Pin Number "H13" at 893.4,1268.01 h9.84; Top Pin Number "H15" at 932.76,1268.01 h9.84; Top Pin Number "N20" at 1031.19,1169.58 h9.84; Top Pin Number "Y15" at 932.76,1031.79 h9.84; Top Pin Number "AA14" at 909.15,1012.1 h9.84; Top Pin Number "D19" at 1011.5,1346.75 h9.84; Top Pin Number "AB19" at 1007.57,992.42 h9.84; Top Pin Number "AG22" at 1066.63,893.99 h9.84; Top Pin Number "AG18" at 987.89,893.99 h9.84; Top Pin Number "AG16" at 948.52,893.99 h9.84; Top Pin Number "AF20" at 1027.26,913.68 h9.84; Top Pin Number "AF16" at 948.52,913.68 h9.84; Top Pin Number "AC22" at 1066.63,972.74 h9.84; Top Pin Number "G27" at 1168.99,1287.7 h9.84; Top Pin Number "AF18" at 987.89,913.68 h9.84; Top Pin Number "R13" at 893.4,1130.22 h9.84; Top Pin Number "R15" at 932.76,1130.22 h9.84; Top Pin Number "T13" at 893.4,1110.53 h9.84; Top Pin Number "T15" at 932.76,1110.53 h9.84; Top Pin Number "U13" at 893.4,1090.84 h9.84; Top Pin Number "U15" at 932.76,1090.84 h9.84; Top Pin Number "V13" at 893.4,1071.16 h9.84; Top Pin Number "V15" at 932.76,1071.16 h9.84; Top Pin Number "V16" at 952.45,1071.16 h9.84; Top Pin Number "W13" at 893.4,1051.48 h9.84; Top Pin Number "W14" at 913.08,1051.48 h9.84; Top Pin Number "W15" at 932.76,1051.48 h9.84; Top Pin Number "W16" at 952.45,1051.48 h9.84; Top Pin Number "T14" at 913.08,1110.53 h9.84; Top Pin Number "AF17" at 968.21,913.68 h9.84; Top Pin Number "AF23" at 1086.31,913.68 h9.84; Top Pin Number "AF15" at 928.83,913.68 h9.84; Top Pin Number "A7" at 779.22,1405.81 h9.84; Top Pin Number "J26" at 1149.3,1248.32 h9.84; Top Pin Number "B6" at 759.54,1386.12 h9.84; Top Pin Number "AG21" at 1046.95,893.99 h9.84; Top Pin Number "AC19" at 1007.57,972.74 h9.84; Top Pin Number "H26" at 1149.3,1268.01 h9.84; Top Pin Number "AG15" at 928.83,893.99 h9.84; Top Pin Number "C27" at 1168.99,1366.44 h9.84; Top Pin Number "AG19" at 1007.57,893.99 h9.84; Top Pin Number "AG17" at 968.21,893.99 h9.84; Top Pin Number "AF12" at 869.78,913.68 h9.84; Top Pin Number "AC18" at 987.89,972.74 h9.84; Top Pin Number "AE27" at 1165.06,933.36 h9.84; Top Pin Number "AF14" at 909.15,913.68 h9.84; Top Pin Number "AF21" at 1046.95,913.68 h9.84; Top Pin Number "AD6" at 755.6,953.05 h9.84; Top Pin Number "N8" at 798.91,1169.58 h9.84; Top Pin Number "P7" at 779.22,1149.9 h9.84; Top Pin Number "R8" at 798.91,1130.22 h9.84; Top Pin Number "V8" at 798.91,1071.16 h9.84; Top Pin Number "K19" at 1011.5,1228.64 h9.84; Top Pin Number "W17" at 972.14,1051.48 h9.84; Top Pin Number "W18" at 991.82,1051.48 h9.84; Top Pin Number "H10" at 834.34,1268.01 h9.84; Top Pin Number "Y10" at 834.34,1031.79 h9.84; Top Pin Number "D6" at 759.54,1346.75 h9.84; Top Pin Number "E14" at 913.08,1327.06 h9.84; Top Pin Number "B7" at 779.22,1386.12 h9.84; Top Pin Number "E9" at 818.6,1327.06 h9.84; Top Pin Number "V26" at 1149.3,1071.16 h9.84; Top Pin Number "V27" at 1168.99,1071.16 h9.84; Top Pin Number "AA26" at 1145.37,1012.1 h9.84; Top Pin Number "V23" at 1090.24,1071.16 h9.84; Top Pin Number "Y27" at 1168.99,1031.79 h9.84; Top Pin Number "V24" at 1109.93,1071.16 h9.84; Top Pin Number "W24" at 1109.93,1051.48 h9.84; Top Pin Number "AC27" at 1165.06,972.74 h9.84; Top Pin Number "Y26" at 1149.3,1031.79 h9.84; Top Pin Number "W23" at 1090.24,1051.48 h9.84; Top Pin Number "AB26" at 1145.37,992.42 h9.84; Top Pin Number "E24" at 1109.93,1327.06 h9.84; Top Pin Number "B24" at 1109.93,1386.12 h9.84; Top Pin Number "E22" at 1070.56,1327.06 h9.84; Top Pin Number "AF27" at 1165.06,913.68 h9.84; Top Pin Number "B23" at 1090.24,1386.12 h9.84; Top Pin Number "A23" at 1090.24,1405.81 h9.84; Top Pin Number "E19" at 1011.5,1327.06 h9.84; Top Pin Number "A20" at 1031.19,1405.81 h9.84; Top Pin Number "B20" at 1031.19,1386.12 h9.84; Top Pin Number "A22" at 1070.56,1405.81 h9.84; Top Pin Number "B21" at 1050.88,1386.12 h9.84; Top Pin Number "B22" at 1070.56,1386.12 h9.84; Top Pin Number "A21" at 1050.88,1405.81 h9.84; Top Pin Number "A19" at 1011.5,1405.81 h9.84; Top Pin Number "A12" at 873.71,1405.81 h9.84; Top Pin Number "A10" at 834.34,1405.81 h9.84; Top Pin Number "A13" at 893.4,1405.81 h9.84; Top Pin Number "A11" at 854.02,1405.81 h9.84; Top Pin Number "B9" at 818.6,1386.12 h9.84; Top Pin Number "B13" at 893.4,1386.12 h9.84; Top Pin Number "V22" at 1070.56,1071.16 h9.84; Top Pin Number "B12" at 873.71,1386.12 h9.84; Top Pin Number "A9" at 818.6,1405.81 h9.84; Top Pin Number "B11" at 854.02,1386.12 h9.84; Top Pin Number "B10" at 834.34,1386.12 h9.84; Top Pin Number "AG14" at 909.15,893.99 h9.84; Top Pin Number "AB1" at 657.17,992.42 h9.84; Top Pin Number "F1" at 661.11,1307.38 h9.84; Top Pin Number "D27" at 1168.99,1346.75 h9.84; Top Pin Number "C26" at 1149.3,1366.44 h9.84; Top Pin Number "B27" at 1168.99,1386.12 h9.84; Top Pin Number "B25" at 1129.62,1386.12 h9.84; Top Pin Number "A26" at 1149.3,1405.81 h9.84; Top Pin Number "K26" at 1149.3,1228.64 h9.84; Top Pin Number "L26" at 1149.3,1208.96 h9.84; Top Pin Number "AF24" at 1106,913.68 h9.84; Top Pin Number "AC26" at 1145.37,972.74 h9.84; Top Pin Number "AD26" at 1145.37,953.05 h9.84; Top Pin Number "AD27" at 1165.06,953.05 h9.84; Top Pin Number "AE26" at 1145.37,933.36 h9.84; Top Pin Number "J12" at 873.71,1248.32 h9.84; Top Pin Number "J13" at 893.4,1248.32 h9.84; Top Pin Number "L19" at 1011.5,1208.96 h9.84; Top Pin Number "M19" at 1011.5,1189.27 h9.84; Top Pin Number "T19" at 1011.5,1110.53 h9.84; Top Pin Number "U19" at 1011.5,1090.84 h9.84; Top Pin Number "V19" at 1011.5,1071.16 h9.84; Top Pin Number "W12" at 873.71,1051.48 h9.84; Top Pin Number "AB13" at 889.47,992.42 h9.84; Top Pin Number "V20" at 1031.19,1071.16 h9.84; Top Pin Number "L2" at 680.8,1208.96 h9.84; Top Pin Number "AD5" at 735.92,953.05 h9.84; Top Pin Number "U26" at 1149.3,1090.84 h9.84; Top Pin Number "R4" at 720.17,1130.22 h9.84; Top Pin Number "AG2" at 676.86,893.99 h9.84; Top Pin Number "N26" at 1149.3,1169.58 h9.84; Top Pin Number "U2" at 680.8,1090.84 h9.84; Top Pin Number "V2" at 680.8,1071.16 h9.84; Top Pin Number "A6" at 759.54,1405.81 h9.84; Top Pin Number "M26" at 1149.3,1189.27 h9.84; Top Pin Number "K4" at 720.17,1228.64 h9.84; Top Pin Number "AG4" at 716.23,893.99 h9.84; Top Pin Number "G2" at 680.8,1287.7 h9.84; Top Pin Number "AB5" at 735.92,992.42 h9.84; Top Pin Number "AC1" at 657.17,972.74 h9.84; Top Pin Number "G1" at 661.11,1287.7 h9.84; Top Pin Number "AG6" at 755.6,893.99 h9.84; Top Pin Number "AC4" at 716.23,972.74 h9.84; Top Pin Number "AD15" at 928.83,953.05 h9.84; Top Pin Number "D5" at 739.86,1346.75 h9.84; Top Pin Number "AB15" at 928.83,992.42 h9.84; Top Pin Number "H1" at 661.11,1268.01 h9.84; Top Pin Number "AD13" at 889.47,953.05 h9.84; Top Pin Number "N4" at 720.17,1169.58 h9.84; Top Pin Number "AC13" at 889.47,972.74 h9.84; Top Pin Number "W27" at 1168.99,1051.48 h9.84; Top Pin Number "E2" at 680.8,1327.06 h9.84; Top Pin Number "K2" at 680.8,1228.64 h9.84; Top Pin Number "AC14" at 909.15,972.74 h9.84; Top Pin Number "AC15" at 928.83,972.74 h9.84; Top Pin Number "K23" at 1090.24,1228.64 h9.84; Top Pin Number "K24" at 1109.93,1228.64 h9.84; Top Pin Number "AD23" at 1086.31,953.05 h9.84; Top Pin Number "P23" at 1090.24,1149.9 h9.84; Top Pin Number "AD22" at 1066.63,953.05 h9.84; Top Pin Number "N23" at 1090.24,1169.58 h9.84; Top Pin Number "B19" at 1011.5,1386.12 h9.84; Top Pin Number "D13" at 893.4,1346.75 h9.84; Top Pin Number "E13" at 893.4,1327.06 h9.84; Top Pin Number "N24" at 1109.93,1169.58 h9.84; Top Pin Number "D10" at 834.34,1346.75 h9.84; Top Pin Number "N22" at 1070.56,1169.58 h9.84; Top Pin Number "F9" at 818.6,1307.38 h9.84; Top Pin Number "E15" at 932.76,1327.06 h9.84; Top Pin Number "F13" at 893.4,1307.38 h9.84; Top Pin Number "K9" at 818.6,1228.64 h9.84; Top Pin Number "L9" at 818.6,1208.96 h9.84; Top Pin Number "M9" at 818.6,1189.27 h9.84; Top Pin Number "N9" at 818.6,1169.58 h9.84; Top Pin Number "R9" at 818.6,1130.22 h9.84; Top Pin Number "T9" at 818.6,1110.53 h9.84; Top Pin Number "U9" at 818.6,1090.84 h9.84; Top Pin Number "V9" at 818.6,1071.16 h9.84; Top Pin Number "K8" at 798.91,1228.64 h9.84; Top Pin Number "N17" at 972.14,1169.58 h9.84; Top Pin Number "N18" at 991.82,1169.58 h9.84; Top Pin Number "R17" at 972.14,1130.22 h9.84; Top Pin Number "R18" at 991.82,1130.22 h9.84; Top Pin Number "U18" at 991.82,1090.84 h9.84; Top Pin Number "K16" at 952.45,1228.64 h9.84; Top Pin Number "P16" at 952.45,1149.9 h9.84; Top Pin Number "U17" at 972.14,1090.84 h9.84; Top Pin Number "R24" at 1109.93,1130.22 h9.84; Top Pin Number "D18" at 991.82,1346.75 h9.84; Top Pin Number "E18" at 991.82,1327.06 h9.84; Top Pin Number "J23" at 1090.24,1248.32 h9.84; Top Pin Number "B18" at 991.82,1386.12 h9.84; Top Pin Number "A18" at 991.82,1405.81 h9.84; Top Pin Number "A17" at 972.14,1405.81 h9.84; Top Pin Number "B17" at 972.14,1386.12 h9.84; Top Pin Number "B15" at 932.76,1386.12 h9.84; Top Pin Number "A15" at 932.76,1405.81 h9.84; Top Pin Number "B14" at 913.08,1386.12 h9.84; Top Pin Number "A14" at 913.08,1405.81 h9.84; Top Pin Number "B16" at 952.45,1386.12 h9.84; Top Pin Number "A16" at 952.45,1405.81 h9.84; Top Pin Number "P27" at 1168.99,1149.9 h9.84; Top Pin Number "K27" at 1168.99,1228.64 h9.84; Top Pin Number "L27" at 1168.99,1208.96 h9.84; Top Pin Number "M27" at 1168.99,1189.27 h9.84; Top Pin Number "N27" at 1168.99,1169.58 h9.84; Top Pin Number "N2" at 680.8,1169.58 h9.84; Top Pin Number "J10" at 834.34,1248.32 h9.84; Top Pin Number "K13" at 893.4,1228.64 h9.84; Top Pin Number "L10" at 834.34,1208.96 h9.84; Top Pin Number "L11" at 854.02,1208.96 h9.84; Top Pin Number "L13" at 893.4,1208.96 h9.84; Top Pin Number "M13" at 893.4,1189.27 h9.84; Top Pin Number "N10" at 834.34,1169.58 h9.84; Top Pin Number "N11" at 854.02,1169.58 h9.84; Top Pin Number "P9" at 818.6,1149.9 h9.84; Top Pin Number "R10" at 834.34,1130.22 h9.84; Top Pin Number "R11" at 854.02,1130.22 h9.84; Top Pin Number "U11" at 854.02,1090.84 h9.84; Top Pin Number "W10" at 834.34,1051.48 h9.84; Top Pin Number "W11" at 854.02,1051.48 h9.84; Top Pin Number "K12" at 873.71,1228.64 h9.84; Top Pin Number "M14" at 913.08,1189.27 h9.84; Top Pin Number "V12" at 873.71,1071.16 h9.84; Top Pin Number "U10" at 834.34,1090.84 h9.84; Top Pin Number "P12" at 873.71,1149.9 h9.84; Top Pin Number "AG13" at 889.47,893.99 h9.84; Top Pin Number "AG12" at 869.78,893.99 h9.84; Top Pin Number "H27" at 1168.99,1268.01 h9.84; Top Pin Number "J27" at 1168.99,1248.32 h9.84; Top Pin Number "J22" at 1070.56,1248.32 h9.84; Top Pin Number "D15" at 932.76,1346.75 h9.84; Top Pin Number "F15" at 932.76,1307.38 h9.84; Top Pin Number "AB24" at 1106,992.42 h9.84; Top Pin Number "AB23" at 1086.31,992.42 h9.84; Top Pin Number "R22" at 1070.56,1130.22 h9.84; Top Pin Number "F19" at 1011.5,1307.38 h9.84; Top Pin Number "AG23" at 1086.31,893.99 h9.84; Top Pin Number "AB18" at 987.89,992.42 h9.84; Top Pin Number "J15" at 932.76,1248.32 h9.84; Top Pin Number "K22" at 1070.56,1228.64 h9.84; Top Pin Number "AF13" at 889.47,913.68 h9.84; Top Pin Number "J11" at 854.02,1248.32 h9.84; Top Pin Number "U27" at 1168.99,1090.84 h9.84; Top Pin Number "D26" at 1149.3,1346.75 h9.84; Top Pin Number "P26" at 1149.3,1149.9 h9.84; Top Pin Number "J14" at 913.08,1248.32 h9.84; Top Pin Number "AA27" at 1165.06,1012.1 h9.84; Top Pin Number "J18" at 991.82,1248.32 h9.84; Top Pin Number "F24" at 1109.93,1307.38 h9.84; Top Pin Number "F23" at 1090.24,1307.38 h9.84; Top Pin Number "F22" at 1070.56,1307.38 h9.84; Top Pin Number "F26" at 1149.3,1307.38 h9.84; Top Pin Number "J24" at 1109.93,1248.32 h9.84; Top Pin Number "J16" at 952.45,1248.32 h9.84; Top Pin Number "J17" at 972.14,1248.32 h9.84; Top Pin Number "K15" at 932.76,1228.64 h9.84; Top Pin Number "L15" at 932.76,1208.96 h9.84; Top Pin Number "L17" at 972.14,1208.96 h9.84; Top Pin Number "L18" at 991.82,1208.96 h9.84; Top Pin Number "M15" at 932.76,1189.27 h9.84; Top Pin Number "N13" at 893.4,1169.58 h9.84; Top Pin Number "N15" at 932.76,1169.58 h9.84; Top Pin Number "AE14" at 909.15,933.36 h9.84; Top Pin Number "AE15" at 928.83,933.36 h9.84; Top Pin Number "AE18" at 987.89,933.36 h9.84; Top Pin Number "AE19" at 1007.57,933.36 h9.84; Top Pin Number "AE22" at 1066.63,933.36 h9.84; Top Pin Number "AE23" at 1086.31,933.36 h9.84; Top Pin Number "AF3" at 696.54,913.68 h9.84; Top Pin Number "AG1" at 657.17,893.99 h9.84; Top Pin Number "AG27" at 1165.06,893.99 h9.84; Top Pin Number "J7" at 779.22,1248.32 h9.84; Top Pin Number "G10" at 834.34,1287.7 h9.84; Top Pin Number "G13" at 893.4,1287.7 h9.84; Top Pin Number "G15" at 932.76,1287.7 h9.84; Top Pin Number "G18" at 991.82,1287.7 h9.84; Top Pin Number "G19" at 1011.5,1287.7 h9.84; Top Pin Number "H18" at 991.82,1268.01 h9.84; Top Pin Number "J21" at 1050.88,1248.32 h9.84; Top Pin Number "K7" at 779.22,1228.64 h9.84; Top Pin Number "K20" at 1031.19,1228.64 h9.84; Top Pin Number "K21" at 1050.88,1228.64 h9.84; Top Pin Number "N7" at 779.22,1169.58 h9.84; Top Pin Number "N21" at 1050.88,1169.58 h9.84; Top Pin Number "P21" at 1050.88,1149.9 h9.84; Top Pin Number "R7" at 779.22,1130.22 h9.84; Top Pin Number "R20" at 1031.19,1130.22 h9.84; Top Pin Number "R21" at 1050.88,1130.22 h9.84; Top Pin Number "V7" at 779.22,1071.16 h9.84; Top Pin Number "V21" at 1050.88,1071.16 h9.84; Top Pin Number "W7" at 779.22,1051.48 h9.84; Top Pin Number "W21" at 1050.88,1051.48 h9.84; Top Pin Number "Y13" at 893.4,1031.79 h9.84; Top Pin Number "Y18" at 991.82,1031.79 h9.84; Top Pin Number "AA9" at 814.66,1012.1 h9.84; Top Pin Number "AA10" at 830.41,1012.1 h9.84; Top Pin Number "AA13" at 889.47,1012.1 h9.84; Top Pin Number "AA15" at 928.83,1012.1 h9.84; Top Pin Number "AA18" at 987.89,1012.1 h9.84; Top Pin Number "AA19" at 1007.57,1012.1 h9.84; Top Pin Number "M12" at 873.71,1189.27 h9.84; Top Pin Number "M16" at 952.45,1189.27 h9.84; Top Pin Number "T12" at 873.71,1110.53 h9.84; Top Pin Number "T16" at 952.45,1110.53 h9.84; Top Pin Number "A24" at 1109.93,1405.81 h9.84; Top Pin Number "R2" at 680.8,1130.22 h9.84; Top Pin Number "AB6" at 755.6,992.42 h9.84; Top Pin Number "W5" at 739.86,1051.48 h9.84; Top Pin Number "V5" at 739.86,1071.16 h9.84; Top Pin Number "T2" at 680.8,1110.53 h9.84; Top Pin Number "T1" at 661.11,1110.53 h9.84; Top Pin Number "R6" at 759.54,1130.22 h9.84; Top Pin Number "N1" at 661.11,1169.58 h9.84; Top Pin Number "M2" at 680.8,1189.27 h9.84; Top Pin Number "M1" at 661.11,1189.27 h9.84; Top Pin Number "N6" at 759.54,1169.58 h9.84; Top Pin Number "K5" at 739.86,1228.64 h9.84; Top Pin Number "J5" at 739.86,1248.32 h9.84; Top Pin Number "F6" at 759.54,1307.38 h9.84